# KiCad board LightRail_LPO_1.6T.kicad_pcb (continued)
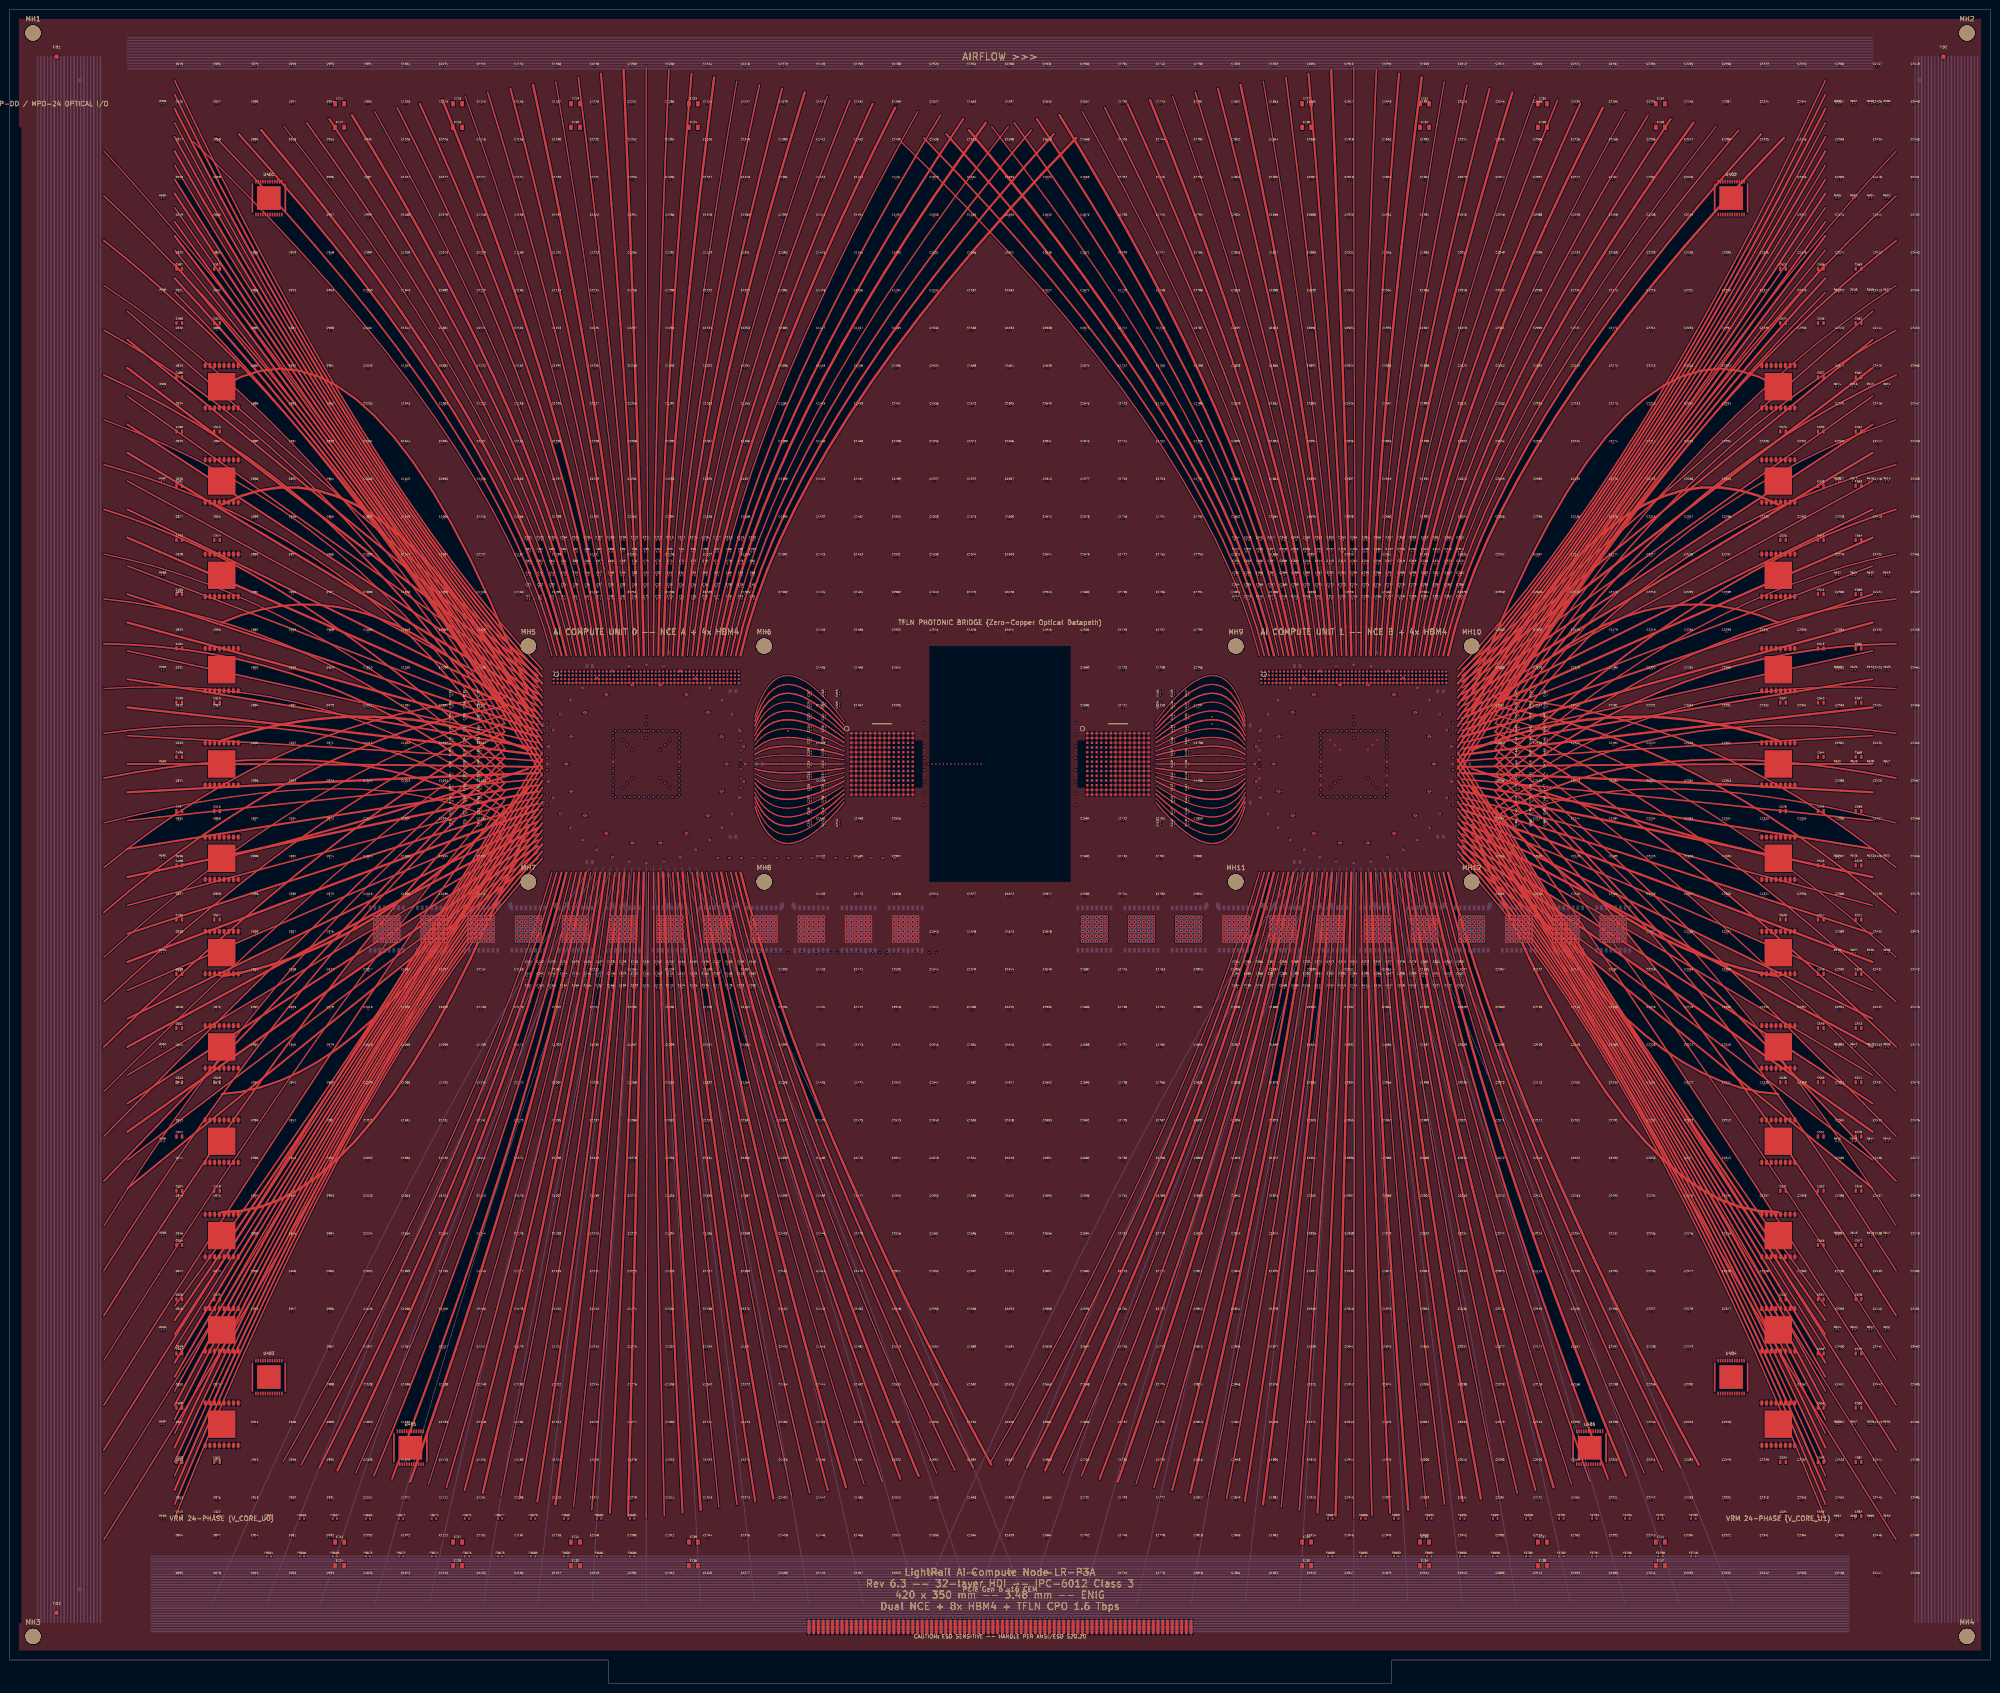
[diagram p0: board, top side]
## Routing (per net, layer and track width the routed paths; a pad name or vN(x,y) marks a point on that pad's centre or on a via; arc(x,y) is an arc through that point) (continued)
  Top w0.33: 213,331 218.85,322.82 224.39,314.8 229.63,306.92 234.57,299.19 239.2,291.61 243.53,284.17 247.56,276.89 251.28,269.75 254.7,262.76 257.82,255.92 260.63,249.23 263.13,242.69 265.34,236.29 267.24,230.05 268.83,223.95 270.13,218 ; 82.2,334.2 86.49,325.64 90.56,317.25 94.4,309.03 98.03,300.99 101.43,293.12 104.61,285.42 107.57,277.9 110.31,270.55 112.82,263.37 115.12,256.37 117.19,249.54 119.04,242.89 120.67,236.41 122.08,230.1 123.27,223.96 124.23,218 ; 298.85,172 300.03,165.4 301.36,158.61 302.83,151.61 304.45,144.43 306.21,137.04 308.11,129.46 310.16,121.68 312.35,113.7 314.68,105.53 317.16,97.16 319.78,88.59 322.55,79.82 325.46,70.86 328.51,61.71 331.71,52.35 335.05,42.8 ; 120.13,172 118.63,165.41 116.97,158.62 115.15,151.66 113.18,144.5 111.05,137.16 108.77,129.62 106.32,121.91 103.72,114 100.96,105.91 98.05,97.62 94.97,89.16 91.74,80.5 88.36,71.66 84.81,62.62 81.11,53.41 77.25,44 ; 154.25,38 152.97,48.13 151.74,58.03 150.57,67.69 149.46,77.12 148.41,86.32 147.41,95.28 146.48,104.01 145.6,112.5 144.78,120.76 144.01,128.78 143.31,136.57 142.66,144.12 142.07,151.44 141.53,158.53 141.06,165.38 140.64,172 ; 294.74,218 295.42,223.97 296.29,230.12 297.34,236.46 298.58,242.99 300.01,249.7 301.63,256.6 303.44,263.68 305.44,270.95 307.62,278.4 310,286.05 312.56,293.87 315.31,301.89 318.25,310.09 321.38,318.47 324.69,327.04 328.2,335.8 ; 273.45,36.8 274.22,47.08 274.97,57.11 275.69,66.9 276.37,76.45 277.04,85.75 277.67,94.81 278.27,103.63 278.85,112.2 279.39,120.53 279.91,128.61 280.4,136.45 280.87,144.05 281.3,151.4 281.71,158.51 282.09,165.38 282.44,172 ; 63,331 68.85,322.82 74.39,314.8 79.63,306.92 84.57,299.19 89.2,291.61 93.53,284.17 97.56,276.89 101.28,269.75 104.7,262.76 107.82,255.92 110.63,249.23 113.14,242.69 115.34,236.29 117.24,230.05 118.83,223.95 120.13,218 ; 302.95,172 304.52,165.41 306.27,158.64 308.21,151.7 310.34,144.57 312.66,137.27 315.16,129.79 317.85,122.14 320.73,114.3 323.79,106.29 327.04,98.09 330.47,89.72 334.09,81.18 337.9,72.45 341.9,63.54 346.08,54.46 350.45,45.2 ; 278.33,218 277.7,223.97 276.92,230.15 276,236.52 274.95,243.09 273.75,249.86 272.42,256.82 270.95,263.99 269.33,271.35 267.58,278.91 265.69,286.67 263.65,294.63 261.48,302.79 259.17,311.14 256.72,319.7 254.13,328.45 251.4,337.4 ; 159,339 157.05,329.86 155.21,320.92 153.48,312.2 151.85,303.69 150.33,295.39 148.92,287.3 147.61,279.42 146.41,271.75 145.32,264.29 144.33,257.05 143.45,250.01 142.67,243.19 142,236.57 141.44,230.17 140.99,223.98 140.64,218 ; 227.25,44 231.11,53.41 234.81,62.62 238.35,71.66 241.74,80.5 244.97,89.16 248.04,97.62 250.96,105.91 253.72,114 256.32,121.91 258.76,129.62 261.05,137.16 263.18,144.5 265.15,151.66 266.97,158.62 268.63,165.41 270.13,172 ; 286.54,218 286.56,223.99 286.6,230.22 286.67,236.69 286.76,243.39 286.88,250.32 287.03,257.5 287.19,264.9 287.38,272.55 287.6,280.43 287.84,288.55 288.11,296.9 288.4,305.49 288.71,314.31 289.05,323.37 289.41,332.67 289.8,342.2 ; 270.6,340.6 271.77,331.26 272.88,322.15 273.94,313.25 274.94,304.59 275.88,296.14 276.76,287.92 277.59,279.92 278.36,272.15 279.07,264.6 279.72,257.27 280.32,250.17 280.86,243.29 281.34,236.63 281.76,230.2 282.13,223.99 282.44,218 ; 366.6,329.4 359.98,321.42 353.7,313.57 347.79,305.86 342.22,298.29 337.01,290.85 332.15,283.55 327.64,276.38 323.49,269.35 319.69,262.45 316.24,255.7 313.14,249.07 310.4,242.59 308,236.24 305.97,230.02 304.28,223.94 302.95,218 ; 319.65,40.4 317.34,50.24 315.13,59.87 313.02,69.28 311.01,78.48 309.1,87.45 307.29,96.22 305.58,104.77 303.97,113.1 302.47,121.22 301.06,129.12 299.76,136.81 298.55,144.28 297.45,151.53 296.45,158.57 295.55,165.39 294.74,172 ; 266.03,218 264.4,223.94 262.4,230 260,236.18 257.23,242.49 254.06,248.92 250.51,255.47 246.58,262.15 242.26,268.95 237.55,275.87 232.46,282.92 226.98,290.09 221.11,297.39 214.86,304.81 208.23,312.35 201.21,320.01 193.8,327.8 ; 290.64,218 290.99,223.98 291.44,230.17 292,236.57 292.67,243.19 293.45,250.01 294.33,257.05 295.32,264.29 296.41,271.75 297.61,279.42 298.92,287.3 300.33,295.39 301.85,303.69 303.48,312.2 305.21,320.92 307.05,329.86 309,339 ; 274.23,218 273.27,223.96 272.08,230.1 270.67,236.41 269.04,242.89 267.19,249.54 265.12,256.37 262.82,263.37 260.31,270.55 257.57,277.9 254.61,285.42 251.43,293.12 248.03,300.99 244.4,309.03 240.56,317.25 236.49,325.64 232.2,334.2 ; 108.05,39.2 109.85,49.19 111.58,58.95 113.24,68.49 114.83,77.8 116.35,86.89 117.79,95.75 119.17,104.39 120.47,112.8 121.7,120.99 122.86,128.95 123.95,136.69 124.97,144.2 125.92,151.49 126.8,158.55 127.6,165.39 128.33,172 ; 242.65,41.6 245.48,51.3 248.2,60.79 250.8,70.07 253.29,79.15 255.66,88.02 257.92,96.69 260.06,105.15 262.1,113.4 264.01,121.45 265.81,129.29 267.5,136.92 269.08,144.35 270.54,151.57 271.88,158.59 273.11,165.4 274.23,172 ; 136.54,172 136.57,165.37 136.62,158.49 136.68,151.36 136.76,143.97 136.85,136.34 136.96,128.44 137.09,120.3 137.22,111.9 137.37,103.25 137.54,94.34 137.72,85.19 137.92,75.77 138.13,66.11 138.35,56.19 138.59,46.02 138.85,35.6 ; 132.44,172 132.09,165.38 131.71,158.51 131.3,151.4 130.87,144.05 130.4,136.45 129.91,128.61 129.39,120.53 128.85,112.2 128.27,103.63 127.67,94.81 127.03,85.75 126.37,76.45 125.69,66.9 124.97,57.11 124.22,47.08 123.45,36.8 ; 128.33,218 127.7,223.97 126.92,230.15 126,236.52 124.95,243.09 123.75,249.86 122.42,256.82 120.95,263.99 119.33,271.35 117.58,278.91 115.69,286.67 113.66,294.63 111.48,302.79 109.17,311.14 106.72,319.7 104.13,328.45 101.4,337.4 ; 43.8,327.8 51.21,320.01 58.23,312.35 64.86,304.81 71.11,297.39 76.98,290.09 82.46,282.92 87.55,275.87 92.26,268.95 96.58,262.15 100.51,255.47 104.06,248.92 107.23,242.49 110,236.18 112.4,230 114.41,223.94 116.03,218 ; 347.4,332.6 342.33,324.23 337.54,316.02 333.02,307.97 328.76,300.09 324.78,292.36 321.07,284.8 317.63,277.39 314.46,270.15 311.56,263.07 308.93,256.15 306.58,249.39 304.49,242.79 302.67,236.35 301.13,230.07 299.85,223.96 298.85,218 ; 144.74,218 145.42,223.97 146.28,230.12 147.34,236.46 148.58,242.99 150.01,249.7 151.63,256.6 153.44,263.68 155.44,270.95 157.62,278.4 160,286.05 162.56,293.87 165.31,301.89 168.25,310.09 171.38,318.47 174.69,327.04 178.2,335.8 ; 92.65,41.6 95.48,51.3 98.2,60.79 100.8,70.07 103.29,79.15 105.66,88.02 107.92,96.69 110.06,105.15 112.09,113.4 114.01,121.45 115.81,129.29 117.5,136.92 119.08,144.35 120.54,151.57 121.88,158.59 123.11,165.4 124.23,172 ; 258.05,39.2 259.85,49.19 261.58,58.95 263.24,68.49 264.83,77.8 266.35,86.89 267.79,95.75 269.17,104.39 270.47,112.8 271.7,120.99 272.86,128.95 273.95,136.69 274.97,144.2 275.92,151.49 276.8,158.55 277.6,165.39 278.33,172 ; 286.54,172 286.57,165.37 286.62,158.49 286.68,151.36 286.76,143.97 286.86,136.34 286.96,128.44 287.08,120.3 287.22,111.9 287.37,103.25 287.54,94.34 287.72,85.19 287.92,75.77 288.13,66.11 288.36,56.19 288.6,46.02 288.85,35.6 ; 216.6,329.4 209.98,321.42 203.71,313.57 197.79,305.86 192.22,298.29 187.01,290.85 182.15,283.55 177.64,276.38 173.49,269.35 169.69,262.45 166.24,255.7 163.14,249.07 160.4,242.59 158,236.24 155.97,230.02 154.28,223.94 152.95,218 ; 290.64,172 291.06,165.38 291.53,158.53 292.07,151.44 292.66,144.12 293.31,136.57 294.01,128.78 294.78,120.76 295.6,112.5 296.48,104.01 297.41,95.28 298.41,86.32 299.46,77.12 300.57,67.69 301.74,58.03 302.97,48.13 304.25,38 ; 197.4,332.6 192.34,324.23 187.54,316.02 183.02,307.97 178.76,300.09 174.78,292.36 171.07,284.8 167.63,277.39 164.46,270.15 161.56,263.07 158.93,256.15 156.58,249.39 154.49,242.79 152.67,236.35 151.13,230.07 149.85,223.96 148.85,218 ; 266.03,172 264.14,165.42 262.06,158.66 259.77,151.74 257.29,144.65 254.6,137.39 251.72,129.96 248.63,122.37 245.34,114.6 241.86,106.67 238.17,98.56 234.28,90.29 230.2,81.85 225.91,73.24 221.43,64.46 216.74,55.52 211.85,46.4 ; 169.65,40.4 167.34,50.24 165.13,59.87 163.02,69.28 161.01,78.48 159.1,87.45 157.29,96.22 155.58,104.77 153.97,113.1 152.47,121.22 151.06,129.12 149.76,136.81 148.55,144.28 147.45,151.53 146.45,158.57 145.54,165.39 144.74,172 ; 136.54,218 136.56,223.99 136.6,230.22 136.67,236.69 136.76,243.39 136.88,250.32 137.03,257.5 137.19,264.9 137.38,272.55 137.6,280.43 137.84,288.55 138.11,296.9 138.4,305.49 138.71,314.31 139.05,323.37 139.41,332.67 139.8,342.2 ; 152.95,172 154.52,165.41 156.27,158.64 158.21,151.7 160.34,144.57 162.66,137.27 165.16,129.79 167.85,122.14 170.72,114.3 173.79,106.29 177.04,98.09 180.47,89.72 184.09,81.18 187.9,72.45 191.9,63.54 196.08,54.46 200.45,45.2 ; 185.05,42.8 181.71,52.35 178.51,61.71 175.46,70.86 172.55,79.82 169.78,88.59 167.16,97.16 164.68,105.53 162.35,113.7 160.16,121.68 158.11,129.46 156.21,137.04 154.45,144.43 152.83,151.61 151.36,158.61 150.03,165.4 148.85,172 ; 120.6,340.6 121.77,331.26 122.89,322.15 123.94,313.25 124.94,304.59 125.88,296.14 126.76,287.92 127.59,279.92 128.36,272.15 129.07,264.6 129.72,257.27 130.32,250.17 130.86,243.29 131.34,236.63 131.76,230.2 132.13,223.99 132.44,218
  Top w0.35: 20,249 25.02,247.36 30.08,245.48 35.18,243.37 40.31,241.03 45.49,238.44 50.7,235.63 55.96,232.58 61.25,229.3 66.58,225.78 71.95,222.03 77.36,218.04 82.81,213.82 88.3,209.37 93.83,204.68 99.39,199.76 105,194.6 ; 105,189.2 100.27,192.91 95.47,196.39 90.59,199.64 85.62,202.65 80.59,205.43 75.47,207.97 70.27,210.28 65,212.35 59.65,214.19 54.22,215.79 48.71,217.16 43.12,218.3 37.46,219.2 31.72,219.87 25.9,220.3 20,220.5 ; 20,306 25.61,301.47 31.17,296.71 36.7,291.71 42.19,286.48 47.64,281.01 53.05,275.31 58.42,269.37 63.75,263.2 69.04,256.8 74.3,250.16 79.51,243.28 84.69,236.18 89.82,228.83 94.92,221.26 99.98,213.44 105,205.4 ; 400,277.5 393.52,274.41 387.19,271.09 381.02,267.54 375,263.75 369.14,259.73 363.44,255.47 357.89,250.98 352.5,246.25 347.27,241.29 342.19,236.09 337.27,230.66 332.5,225 327.89,219.1 323.44,212.97 319.14,206.6 315,200 ; 105,200 100.86,206.6 96.56,212.97 92.11,219.1 87.5,225 82.73,230.66 77.81,236.09 72.73,241.29 67.5,246.25 62.11,250.98 56.56,255.47 50.86,259.73 45,263.75 38.98,267.54 32.81,271.09 26.48,274.41 20,277.5 ; 400,78 394.39,86.82 388.83,95.41 383.3,103.76 377.81,111.88 372.36,119.76 366.95,127.41 361.58,134.82 356.25,142 350.96,148.94 345.7,155.66 340.49,162.13 335.31,168.38 330.18,174.38 325.08,180.16 320.02,185.69 315,191 ; 20,192 26.78,193.25 33.36,194.26 39.75,195.03 45.94,195.57 51.93,195.88 57.73,195.96 63.34,195.79 68.75,195.4 73.97,194.77 78.98,193.91 83.81,192.81 88.44,191.47 92.87,189.91 97.11,188.11 101.15,186.07 105,183.8 ; 400,192 393.22,193.25 386.64,194.26 380.25,195.03 374.06,195.57 368.07,195.88 362.27,195.96 356.66,195.79 351.25,195.4 346.04,194.77 341.02,193.91 336.19,192.81 331.56,191.47 327.13,189.91 322.89,188.11 318.85,186.07 315,183.8 ; 105,201.8 100.57,199.38 96.02,196.73 91.35,193.84 86.56,190.72 81.66,187.37 76.64,183.78 71.5,179.96 66.25,175.9 60.88,171.61 55.39,167.08 49.78,162.32 44.06,157.32 38.22,152.09 32.27,146.63 26.19,140.93 20,135 ; 400,49.5 393.52,59.76 387.19,69.79 381.02,79.59 375,89.15 369.14,98.48 363.44,107.57 357.89,116.43 352.5,125.05 347.27,133.44 342.19,141.59 337.27,149.51 332.5,157.2 327.89,164.65 323.44,171.87 319.14,178.85 315,185.6 ; 105,191 99.98,185.69 94.92,180.16 89.82,174.38 84.69,168.38 79.51,162.13 74.3,155.66 69.04,148.94 63.75,142 58.42,134.82 53.05,127.41 47.64,119.76 42.19,111.88 36.7,103.76 31.17,95.41 25.61,86.82 20,78 ; 105,207.2 99.69,206.23 94.38,205.02 89.06,203.58 83.75,201.9 78.44,199.99 73.12,197.84 67.81,195.46 62.5,192.85 57.19,190 51.88,186.92 46.56,183.6 41.25,180.05 35.94,176.26 30.62,172.24 25.31,167.99 20,163.5 ; 105,185.6 100.86,178.85 96.56,171.87 92.11,164.65 87.5,157.2 82.73,149.51 77.81,141.59 72.73,133.44 67.5,125.05 62.11,116.43 56.56,107.57 50.86,98.48 45,89.15 38.98,79.59 32.81,69.79 26.48,59.76 20,49.5 ; 315,201.8 319.43,199.38 323.98,196.73 328.65,193.84 333.44,190.72 338.34,187.37 343.36,183.78 348.5,179.96 353.75,175.9 359.12,171.61 364.61,167.08 370.21,162.32 375.94,157.32 381.78,152.09 387.73,146.63 393.81,140.93 400,135 ; 400,249 394.98,247.36 389.92,245.48 384.82,243.37 379.69,241.03 374.51,238.44 369.3,235.63 364.04,232.58 358.75,229.3 353.42,225.78 348.05,222.03 342.64,218.04 337.19,213.82 331.7,209.37 326.17,204.68 320.61,199.76 315,194.6 ; 400,106.5 392.93,113.88 386.09,121.02 379.49,127.93 373.12,134.6 366.99,141.04 361.09,147.24 355.43,153.21 350,158.95 344.81,164.45 339.84,169.72 335.12,174.75 330.62,179.55 326.37,184.11 322.34,188.44 318.56,192.54 315,196.4 ; 400,163.5 394.69,167.99 389.38,172.24 384.06,176.26 378.75,180.05 373.44,183.6 368.12,186.92 362.81,190 357.5,192.85 352.19,195.46 346.88,197.84 341.56,199.99 336.25,201.9 330.94,203.58 325.62,205.02 320.31,206.23 315,207.2 ; 105,196.4 101.44,192.54 97.66,188.44 93.63,184.11 89.38,179.55 84.88,174.75 80.16,169.72 75.19,164.45 70,158.95 64.57,153.21 58.91,147.24 53.01,141.04 46.88,134.6 40.51,127.93 33.91,121.02 27.07,113.88 20,106.5 ; 315,205.4 320.02,213.44 325.08,221.26 330.18,228.83 335.31,236.18 340.49,243.28 345.7,250.16 350.96,256.8 356.25,263.2 361.58,269.37 366.95,275.31 372.36,281.01 377.81,286.48 383.3,291.71 388.83,296.71 394.39,301.47 400,306 ; 315,189.2 319.73,192.91 324.53,196.39 329.41,199.64 334.38,202.65 339.41,205.43 344.53,207.97 349.73,210.28 355,212.35 360.35,214.19 365.78,215.79 371.29,217.16 376.88,218.3 382.54,219.2 388.28,219.87 394.1,220.3 400,220.5
  Top w0.36: 35,328 39.99,318.98 44.97,310.17 49.93,301.57 54.88,293.19 59.8,285.01 64.72,277.05 69.62,269.29 74.5,261.75 79.37,254.42 84.22,247.3 89.06,240.39 93.88,233.69 98.68,227.2 103.47,220.92 108.24,214.85 113,209 ; 113,185.5 108.24,179.08 103.47,172.43 98.68,165.56 93.88,158.47 89.06,151.15 84.22,143.62 79.37,135.86 74.5,127.88 69.62,119.67 64.72,111.24 59.8,102.59 54.88,93.72 49.93,84.62 44.97,75.31 39.99,65.76 35,56 ; 113,190 108.24,183.07 103.47,176.02 98.68,168.85 93.88,161.56 89.06,154.16 84.22,146.64 79.37,139 74.5,131.25 69.62,123.38 64.72,115.39 59.8,107.28 54.88,99.06 49.93,90.72 44.97,82.27 39.99,73.69 35,65 ; 307,195.5 311.76,202.88 316.53,210.16 321.32,217.34 326.12,224.41 330.94,231.37 335.78,238.23 340.63,244.98 345.5,251.62 350.38,258.17 355.28,264.6 360.19,270.93 365.12,277.16 370.07,283.27 375.03,289.29 380.01,295.2 385,301 ; 113,204.5 108.24,210.87 103.47,217.34 98.68,223.91 93.88,230.59 89.06,237.38 84.22,244.27 79.37,251.27 74.5,258.38 69.62,265.58 64.72,272.9 59.8,280.32 54.88,287.84 49.93,295.48 44.97,303.21 39.99,311.05 35,319 ; 307,200 311.76,206.88 316.53,213.75 321.32,220.62 326.12,227.5 330.94,234.38 335.78,241.25 340.63,248.12 345.5,255 350.38,261.88 355.28,268.75 360.19,275.62 365.12,282.5 370.07,289.38 375.03,296.25 380.01,303.12 385,310 ; 385,38 380.01,49.91 375.03,61.38 370.07,72.42 365.12,83.03 360.19,93.2 355.28,102.94 350.38,112.25 345.5,121.12 340.63,129.56 335.78,137.57 330.94,145.14 326.12,152.28 321.32,158.99 316.53,165.26 311.76,171.1 307,176.5 ; 385,65 380.01,73.69 375.03,82.27 370.07,90.72 365.12,99.06 360.19,107.28 355.28,115.39 350.38,123.38 345.5,131.25 340.63,139 335.78,146.64 330.94,154.16 326.12,161.56 321.32,168.85 316.53,176.02 311.76,183.07 307,190 ; 307,194.5 311.76,187.06 316.53,179.6 321.32,172.13 326.12,164.66 330.94,157.17 335.78,149.66 340.63,142.15 345.5,134.62 350.38,127.09 355.28,119.54 360.19,111.98 365.12,104.41 370.07,96.82 375.03,89.23 380.01,81.62 385,74 ; 307,204.5 311.76,210.87 316.53,217.34 321.32,223.91 326.12,230.59 330.94,237.38 335.78,244.27 340.63,251.27 345.5,258.38 350.38,265.58 355.28,272.9 360.19,280.32 365.12,287.84 370.07,295.48 375.03,303.21 380.01,311.05 385,319 ; 385,337 380.01,326.91 375.03,317.13 370.07,307.67 365.12,298.53 360.19,289.7 355.28,281.19 350.38,273 345.5,265.12 340.63,257.56 335.78,250.32 330.94,243.39 326.12,236.78 321.32,230.49 316.53,224.51 311.76,218.85 307,213.5 ; 35,74 39.99,81.62 44.97,89.23 49.93,96.82 54.88,104.41 59.8,111.98 64.72,119.54 69.62,127.09 74.5,134.62 79.37,142.15 84.22,149.66 89.06,157.17 93.88,164.66 98.68,172.13 103.47,179.6 108.24,187.06 113,194.5 ; 113,200 108.24,206.88 103.47,213.75 98.68,220.62 93.88,227.5 89.06,234.38 84.22,241.25 79.37,248.12 74.5,255 69.62,261.88 64.72,268.75 59.8,275.62 54.88,282.5 49.93,289.38 44.97,296.25 39.99,303.12 35,310 ; 35,47 39.99,57.84 44.97,68.34 49.93,78.52 54.88,88.38 59.8,97.9 64.72,107.09 69.62,115.96 74.5,124.5 79.37,132.71 84.22,140.59 89.06,148.15 93.88,155.38 98.68,162.27 103.47,168.84 108.24,175.09 113,181 ; 113,176.5 108.24,171.1 103.47,165.26 98.68,158.99 93.88,152.28 89.06,145.14 84.22,137.57 79.37,129.56 74.5,121.12 69.62,112.25 64.72,102.94 59.8,93.2 54.88,83.03 49.93,72.42 44.97,61.38 39.99,49.91 35,38 ; 307,209 311.76,214.85 316.53,220.92 321.32,227.2 326.12,233.69 330.94,240.39 335.78,247.3 340.63,254.42 345.5,261.75 350.38,269.29 355.28,277.05 360.19,285.01 365.12,293.19 370.07,301.57 375.03,310.17 380.01,318.98 385,328 ; 35,337 39.99,326.91 44.97,317.13 49.93,307.67 54.88,298.53 59.8,289.7 64.72,281.19 69.62,273 74.5,265.12 79.37,257.56 84.22,250.32 89.06,243.39 93.88,236.78 98.68,230.49 103.47,224.51 108.24,218.85 113,213.5 ; 307,185.5 311.76,179.08 316.53,172.43 321.32,165.56 326.12,158.47 330.94,151.15 335.78,143.62 340.63,135.86 345.5,127.88 350.38,119.67 355.28,111.24 360.19,102.59 365.12,93.72 370.07,84.62 375.03,75.31 380.01,65.76 385,56 ; 113,195.5 108.24,202.88 103.47,210.16 98.68,217.34 93.88,224.41 89.06,231.37 84.22,238.23 79.37,244.98 74.5,251.62 69.62,258.17 64.72,264.6 59.8,270.93 54.88,277.16 49.93,283.27 44.97,289.29 39.99,295.2 35,301 ; 307,181 311.76,175.09 316.53,168.84 321.32,162.27 326.12,155.38 330.94,148.15 335.78,140.59 340.63,132.71 345.5,124.5 350.38,115.96 355.28,107.09 360.19,97.9 365.12,88.38 370.07,78.52 375.03,68.34 380.01,57.84 385,47
  Top w0.38: 395,267 388.21,262.56 381.61,258.23 375.18,254.02 368.94,249.93 362.87,245.95 356.98,242.09 351.28,238.34 345.75,234.71 340.4,231.19 335.23,227.8 330.25,224.51 325.44,221.35 320.81,218.3 316.36,215.36 312.09,212.54 308,209.84 ; 395,141 388.21,144.33 381.61,147.56 375.18,150.69 368.94,153.73 362.87,156.68 356.98,159.53 351.28,162.28 345.75,164.94 340.4,167.5 335.23,169.96 330.25,172.33 325.44,174.6 320.81,176.78 316.36,178.87 312.09,180.85 308,182.74 ; 112,194.35 107.91,194.43 103.64,194.51 99.19,194.57 94.56,194.64 89.75,194.69 84.77,194.75 79.6,194.8 74.25,194.84 68.72,194.88 63.02,194.91 57.13,194.94 51.06,194.96 44.82,194.98 38.39,194.99 31.79,195 25,195 ; 395,105 388.21,110.55 381.61,115.94 375.18,121.17 368.94,126.25 362.87,131.17 356.98,135.94 351.28,140.55 345.75,145 340.4,149.3 335.23,153.44 330.25,157.42 325.44,161.25 320.81,164.92 316.36,168.44 312.09,171.8 308,175 ; 25,249 31.79,245.67 38.39,242.42 44.82,239.26 51.06,236.19 57.13,233.2 63.02,230.29 68.72,227.47 74.25,224.74 79.6,222.09 84.77,219.53 89.75,217.06 94.56,214.67 99.19,212.37 103.64,210.15 107.91,208.01 112,205.97 ; 395,177 388.21,178.11 381.61,179.18 375.18,180.22 368.94,181.22 362.87,182.18 356.98,183.12 351.28,184.01 345.75,184.87 340.4,185.7 335.23,186.49 330.25,187.24 325.44,187.96 320.81,188.64 316.36,189.29 312.09,189.91 308,190.48 ; 112,202.1 107.91,203.49 103.64,204.93 99.19,206.44 94.56,207.99 89.75,209.6 84.77,211.27 79.6,213 74.25,214.77 68.72,216.61 63.02,218.5 57.13,220.44 51.06,222.44 44.82,224.5 38.39,226.61 31.79,228.78 25,231 ; 25,267 31.79,262.56 38.39,258.23 44.82,254.02 51.06,249.93 57.13,245.95 63.02,242.09 68.72,238.34 74.25,234.71 79.6,231.19 84.77,227.8 89.75,224.51 94.56,221.35 99.19,218.3 103.64,215.36 107.91,212.54 112,209.84 ; 25,159 31.79,161.22 38.39,163.37 44.82,165.46 51.06,167.48 57.13,169.43 63.02,171.32 68.72,173.15 74.25,174.9 79.6,176.6 84.77,178.22 89.75,179.79 94.56,181.28 99.19,182.71 103.64,184.08 107.91,185.38 112,186.61 ; 112,178.87 107.91,176.32 103.64,173.65 99.19,170.85 94.56,167.93 89.75,164.88 84.77,161.7 79.6,158.4 74.25,154.97 68.72,151.41 63.02,147.73 57.13,143.93 51.06,139.99 44.82,135.93 38.39,131.75 31.79,127.44 25,123 ; 308,186.61 312.09,185.38 316.36,184.08 320.81,182.71 325.44,181.28 330.25,179.79 335.23,178.22 340.4,176.6 345.75,174.9 351.28,173.15 356.98,171.32 362.87,169.43 368.94,167.48 375.18,165.46 381.61,163.37 388.21,161.22 395,159 ; 25,105 31.79,110.55 38.39,115.94 44.82,121.17 51.06,126.25 57.13,131.17 63.02,135.94 68.72,140.55 74.25,145 79.6,149.3 84.77,153.44 89.75,157.42 94.56,161.25 99.19,164.92 103.64,168.44 107.91,171.8 112,175 ; 308,178.87 312.09,176.32 316.36,173.65 320.81,170.85 325.44,167.93 330.25,164.88 335.23,161.7 340.4,158.4 345.75,154.97 351.28,151.41 356.98,147.73 362.87,143.93 368.94,139.99 375.18,135.93 381.61,131.75 388.21,127.44 395,123 ; 308,194.35 312.09,194.43 316.36,194.51 320.81,194.57 325.44,194.64 330.25,194.69 335.23,194.75 340.4,194.8 345.75,194.84 351.28,194.88 356.98,194.91 362.87,194.94 368.94,194.96 375.18,194.98 381.61,194.99 388.21,195 395,195 ; 308,198.23 312.09,198.96 316.36,199.72 320.81,200.5 325.44,201.31 330.25,202.15 335.23,203.01 340.4,203.9 345.75,204.81 351.28,205.74 356.98,206.7 362.87,207.69 368.94,208.7 375.18,209.74 381.61,210.8 388.21,211.89 395,213 ; 25,285 31.79,279.45 38.39,274.04 44.82,268.78 51.06,263.67 57.13,258.7 63.02,253.88 68.72,249.21 74.25,244.68 79.6,240.3 84.77,236.06 89.75,231.97 94.56,228.02 99.19,224.23 103.64,220.57 107.91,217.07 112,213.71 ; 112,190.48 107.91,189.91 103.64,189.29 99.19,188.64 94.56,187.96 89.75,187.24 84.77,186.49 79.6,185.7 74.25,184.87 68.72,184.01 63.02,183.12 57.13,182.18 51.06,181.22 44.82,180.22 38.39,179.18 31.79,178.11 25,177 ; 25,141 31.79,144.33 38.39,147.56 44.82,150.69 51.06,153.73 57.13,156.68 63.02,159.53 68.72,162.28 74.25,164.94 79.6,167.5 84.77,169.96 89.75,172.33 94.56,174.6 99.19,176.78 103.64,178.87 107.91,180.85 112,182.74 ; 308,213.71 312.09,217.07 316.36,220.57 320.81,224.23 325.44,228.02 330.25,231.97 335.23,236.06 340.4,240.3 345.75,244.68 351.28,249.21 356.98,253.88 362.87,258.7 368.94,263.67 375.18,268.78 381.61,274.04 388.21,279.45 395,285 ; 395,249 388.21,245.67 381.61,242.42 375.18,239.26 368.94,236.19 362.87,233.2 356.98,230.29 351.28,227.47 345.75,224.74 340.4,222.09 335.23,219.53 330.25,217.06 325.44,214.67 320.81,212.37 316.36,210.15 312.09,208.01 308,205.97 ; 25,213 31.79,211.89 38.39,210.8 44.82,209.74 51.06,208.7 57.13,207.69 63.02,206.7 68.72,205.74 74.25,204.81 79.6,203.9 84.77,203.01 89.75,202.15 94.56,201.31 99.19,200.5 103.64,199.72 107.91,198.96 112,198.23 ; 308,202.1 312.09,203.49 316.36,204.93 320.81,206.44 325.44,207.99 330.25,209.6 335.23,211.27 340.4,213 345.75,214.77 351.28,216.61 356.98,218.5 362.87,220.44 368.94,222.44 375.18,224.5 381.61,226.61 388.21,228.78 395,231
  Top w0.4: 110,202 105.94,206.43 101.88,210.45 97.81,214.08 93.75,217.31 89.69,220.15 85.62,222.58 81.56,224.61 77.5,226.25 73.44,227.49 69.38,228.33 65.31,228.77 61.25,228.81 57.19,228.46 53.12,227.7 49.06,226.55 45,225 ; 375,125 370.94,125.47 366.88,126.39 362.81,127.75 358.75,129.56 354.69,131.82 350.62,134.52 346.56,137.66 342.5,141.25 338.44,145.28 334.38,149.77 330.31,154.69 326.25,160.06 322.19,165.88 318.12,172.14 314.06,178.85 310,186 ; 310,202 314.06,206.43 318.12,210.45 322.19,214.08 326.25,217.31 330.31,220.15 334.38,222.58 338.44,224.61 342.5,226.25 346.56,227.49 350.62,228.33 354.69,228.77 358.75,228.81 362.81,228.46 366.88,227.7 370.94,226.55 375,225 ; 375,175 370.94,176.01 366.88,177.05 362.81,178.1 358.75,179.19 354.69,180.29 350.62,181.42 346.56,182.57 342.5,183.75 338.44,184.95 334.38,186.17 330.31,187.42 326.25,188.69 322.19,189.98 318.12,191.3 314.06,192.64 310,194 ; 110,186 105.94,178.85 101.88,172.14 97.81,165.88 93.75,160.06 89.69,154.69 85.62,149.77 81.56,145.28 77.5,141.25 73.44,137.66 69.38,134.52 65.31,131.82 61.25,129.56 57.19,127.75 53.12,126.39 49.06,125.47 45,125 ; 45,175 49.06,176.01 53.12,177.05 57.19,178.1 61.25,179.19 65.31,180.29 69.38,181.42 73.44,182.57 77.5,183.75 81.56,184.95 85.62,186.17 89.69,187.42 93.75,188.69 97.81,189.98 101.88,191.3 105.94,192.64 110,194 ; 375,275 370.94,277.09 366.88,278.36 362.81,278.81 358.75,278.44 354.69,277.25 350.62,275.23 346.56,272.4 342.5,268.75 338.44,264.28 334.38,258.98 330.31,252.87 326.25,245.94 322.19,238.18 318.12,229.61 314.06,220.22 310,210 ; 110,210 105.94,220.22 101.88,229.61 97.81,238.18 93.75,245.94 89.69,252.87 85.62,258.98 81.56,264.28 77.5,268.75 73.44,272.4 69.38,275.23 65.31,277.25 61.25,278.44 57.19,278.81 53.12,278.36 49.06,277.09 45,275
  Top w0.41: 352.2,331.8 346.75,323.53 341.58,315.41 336.71,307.45 332.13,299.64 327.84,291.98 323.84,284.48 320.13,277.14 316.72,269.95 313.59,262.92 310.76,256.03 308.22,249.31 305.96,242.74 304,236.32 302.34,230.06 300.96,223.95 299.87,218 ; 267.05,218 265.51,223.94 263.61,230.01 261.34,236.21 258.7,242.54 255.7,249 252.34,255.58 248.61,262.3 244.51,269.15 240.05,276.13 235.23,283.23 230.03,290.47 224.48,297.84 218.56,305.33 212.27,312.96 205.62,320.72 198.6,328.6 ; 271.15,218 269.94,223.95 268.45,230.06 266.67,236.32 264.61,242.74 262.27,249.31 259.64,256.03 256.73,262.92 253.54,269.95 250.06,277.14 246.3,284.48 242.26,291.98 237.94,299.64 233.33,307.45 228.43,315.41 223.26,323.53 217.8,331.8 ; 287.56,218 287.67,223.99 287.81,230.21 288,236.66 288.24,243.34 288.52,250.25 288.85,257.38 289.22,264.75 289.64,272.35 290.1,280.18 290.61,288.23 291.16,296.52 291.76,305.04 292.4,313.78 293.09,322.76 293.82,331.96 294.6,341.4 ; 145.77,218 146.53,223.97 147.5,230.11 148.67,236.43 150.06,242.94 151.65,249.62 153.46,256.48 155.47,263.53 157.69,270.75 160.12,278.15 162.76,285.73 165.61,293.5 168.67,301.44 171.94,309.56 175.42,317.86 179.1,326.34 183,335 ; 275.26,218 274.37,223.97 273.29,230.11 272,236.43 270.52,242.94 268.83,249.62 266.94,256.48 264.86,263.53 262.56,270.75 260.07,278.15 257.38,285.73 254.49,293.5 251.39,301.44 248.09,309.56 244.6,317.86 240.9,326.34 237,335 ; 173.5,41 170.93,50.77 168.47,60.33 166.13,69.68 163.89,78.81 161.77,87.74 159.76,96.45 157.86,104.96 156.07,113.25 154.39,121.33 152.82,129.2 151.37,136.86 150.03,144.31 148.79,151.55 147.68,158.58 146.67,165.4 145.77,172 ; 87,335 90.9,326.34 94.6,317.86 98.09,309.56 101.39,301.44 104.49,293.5 107.38,285.73 110.07,278.15 112.56,270.75 114.86,263.53 116.94,256.48 118.83,249.62 120.52,242.94 122,236.43 123.29,230.11 124.37,223.97 125.26,218 ; 323.5,41 320.93,50.77 318.47,60.33 316.13,69.68 313.89,78.81 311.77,87.74 309.76,96.45 307.86,104.96 306.07,113.25 304.39,121.33 302.82,129.2 301.37,136.86 300.03,144.31 298.8,151.55 297.68,158.58 296.67,165.4 295.77,172 ; 279.36,218 278.81,223.98 278.13,230.16 277.34,236.55 276.43,243.14 275.4,249.93 274.25,256.93 272.98,264.14 271.59,271.55 270.08,279.17 268.46,286.98 266.71,295.01 264.85,303.24 262.86,311.67 260.76,320.31 258.54,329.15 256.2,338.2 ; 313.8,338.2 311.46,329.15 309.25,320.31 307.17,311.67 305.22,303.24 303.39,295.01 301.69,286.98 300.11,279.17 298.67,271.55 297.35,264.14 296.15,256.93 295.09,249.93 294.15,243.14 293.34,236.55 292.65,230.16 292.1,223.98 291.67,218 ; 287.56,172 287.69,165.38 287.85,158.5 288.03,151.38 288.24,144.01 288.47,136.4 288.73,128.53 289.01,120.41 289.32,112.05 289.65,103.44 290.01,94.58 290.39,85.47 290.8,76.11 291.24,66.51 291.7,56.65 292.19,46.55 292.7,36.2 ; 133.46,172 133.21,165.38 132.94,158.5 132.65,151.38 132.34,144.01 132.02,136.4 131.68,128.53 131.32,120.41 130.94,112.05 130.55,103.44 130.13,94.58 129.71,85.47 129.26,76.11 128.8,66.51 128.31,56.65 127.82,46.55 127.3,36.2 ; 308.1,38.6 306.56,48.66 305.09,58.49 303.68,68.09 302.35,77.46 301.08,86.6 299.88,95.52 298.75,104.2 297.69,112.65 296.7,120.87 295.77,128.87 294.92,136.63 294.13,144.16 293.41,151.47 292.76,158.54 292.18,165.38 291.67,172 ; 299.87,172 301.15,165.4 302.59,158.62 304.18,151.63 305.92,144.46 307.82,137.1 309.87,129.54 312.08,121.79 314.44,113.85 316.96,105.72 319.63,97.39 322.46,88.87 325.44,80.16 328.57,71.26 331.86,62.17 335.3,52.88 338.9,43.4 ; 142.7,36.2 142.19,46.55 141.7,56.65 141.24,66.51 140.8,76.11 140.39,85.47 140.01,94.58 139.65,103.44 139.32,112.05 139.01,120.41 138.72,128.53 138.47,136.4 138.24,144.01 138.03,151.38 137.85,158.5 137.69,165.38 137.56,172 ; 283.46,218 283.24,223.99 282.97,230.21 282.67,236.66 282.33,243.34 281.96,250.25 281.55,257.38 281.1,264.75 280.62,272.35 280.09,280.18 279.53,288.23 278.94,296.52 278.3,305.04 277.63,313.78 276.93,322.76 276.18,331.96 275.4,341.4 ; 129.36,218 128.81,223.98 128.13,230.16 127.34,236.55 126.43,243.14 125.4,249.93 124.25,256.93 122.98,264.14 121.59,271.55 120.08,279.17 118.46,286.98 116.71,295.01 114.85,303.24 112.86,311.67 110.76,320.31 108.54,329.15 106.2,338.2 ; 215.7,45.8 220.33,54.99 224.77,64 229.02,72.85 233.08,81.51 236.96,90.01 240.64,98.33 244.13,106.48 247.44,114.45 250.55,122.25 253.48,129.88 256.21,137.33 258.76,144.61 261.12,151.72 263.29,158.65 265.26,165.41 267.05,172 ; 117.05,218 115.51,223.94 113.61,230.01 111.34,236.21 108.7,242.54 105.7,249 102.34,255.58 98.61,262.3 94.51,269.15 90.05,276.13 85.23,283.23 80.03,290.47 74.48,297.84 68.56,305.33 62.27,312.96 55.62,320.72 48.6,328.6 ; 121.15,172 119.75,165.4 118.2,158.62 116.5,151.63 114.66,144.46 112.67,137.1 110.53,129.54 108.24,121.79 105.81,113.85 103.24,105.72 100.51,97.39 97.64,88.87 94.63,80.16 91.47,71.26 88.16,62.17 84.7,52.88 81.1,43.4 ; 149.87,172 151.15,165.4 152.59,158.62 154.18,151.63 155.92,144.46 157.82,137.1 159.87,129.54 162.08,121.79 164.44,113.85 166.96,105.72 169.63,97.39 172.46,88.87 175.44,80.16 178.57,71.26 181.86,62.17 185.3,52.88 188.9,43.4 ; 111.9,38.6 113.44,48.66 114.93,58.49 116.35,68.09 117.72,77.46 119.02,86.6 120.26,95.52 121.44,104.2 122.56,112.65 123.63,120.87 124.63,128.87 125.57,136.63 126.45,144.16 127.27,151.47 128.02,158.54 128.72,165.38 129.36,172 ; 149.87,218 150.96,223.95 152.34,230.06 154,236.32 155.97,242.74 158.22,249.31 160.76,256.03 163.59,262.92 166.72,269.95 170.13,277.14 173.84,284.48 177.84,291.98 182.13,299.64 186.71,307.45 191.58,315.41 196.75,323.53 202.2,331.8 ; 144.6,341.4 143.82,331.96 143.09,322.76 142.4,313.78 141.76,305.04 141.16,296.52 140.61,288.23 140.1,280.18 139.64,272.35 139.22,264.75 138.85,257.38 138.52,250.25 138.24,243.34 138,236.66 137.81,230.21 137.67,223.99 137.56,218 ; 96.5,41 99.07,50.77 101.54,60.33 103.91,69.68 106.17,78.81 108.33,87.74 110.39,96.45 112.34,104.96 114.19,113.25 115.94,121.33 117.58,129.2 119.11,136.86 120.55,144.31 121.88,151.55 123.11,158.58 124.23,165.4 125.26,172 ; 141.67,172 142.18,165.38 142.76,158.54 143.41,151.47 144.13,144.16 144.92,136.63 145.77,128.87 146.7,120.87 147.69,112.65 148.75,104.2 149.88,95.52 151.08,86.6 152.35,77.46 153.68,68.09 155.09,58.49 156.56,48.66 158.1,38.6 ; 371.4,328.6 364.39,320.72 357.75,312.96 351.48,305.33 345.59,297.84 340.06,290.47 334.92,283.23 330.14,276.13 325.74,269.15 321.72,262.3 318.06,255.58 314.78,249 311.87,242.54 309.34,236.21 307.18,230.01 305.39,223.94 303.97,218 ; 133.46,218 133.24,223.99 132.97,230.21 132.67,236.66 132.34,243.34 131.96,250.25 131.55,257.38 131.1,264.75 130.62,272.35 130.09,280.18 129.53,288.23 128.94,296.52 128.3,305.04 127.63,313.78 126.93,322.76 126.18,331.96 125.4,341.4 ; 204.3,45.8 199.67,54.99 195.25,64 191.01,72.85 186.98,81.51 183.14,90.01 179.5,98.33 176.06,106.48 172.82,114.45 169.77,122.25 166.92,129.88 164.27,137.33 161.82,144.61 159.56,151.72 157.5,158.65 155.64,165.41 153.97,172 ; 153.97,218 155.39,223.94 157.18,230.01 159.34,236.21 161.87,242.54 164.78,249 168.06,255.58 171.72,262.3 175.74,269.15 180.14,276.13 184.92,283.23 190.06,290.47 195.59,297.84 201.48,305.33 207.75,312.96 214.39,320.72 221.4,328.6 ; 271.15,172 269.75,165.4 268.2,158.62 266.5,151.63 264.65,144.46 262.67,137.1 260.53,129.54 258.24,121.79 255.81,113.85 253.24,105.72 250.51,97.39 247.64,88.87 244.63,80.16 241.47,71.26 238.16,62.17 234.7,52.88 231.1,43.4 ; 283.46,172 283.21,165.38 282.94,158.5 282.65,151.38 282.34,144.01 282.02,136.4 281.68,128.53 281.32,120.41 280.94,112.05 280.55,103.44 280.13,94.58 279.71,85.47 279.26,76.11 278.8,66.51 278.31,56.65 277.82,46.55 277.3,36.2 ; 121.15,218 119.94,223.95 118.45,230.06 116.67,236.32 114.61,242.74 112.27,249.31 109.64,256.03 106.73,262.92 103.54,269.95 100.06,277.14 96.3,284.48 92.26,291.98 87.94,299.64 83.33,307.45 78.43,315.41 73.26,323.53 67.8,331.8 ; 275.26,172 274.24,165.4 273.11,158.58 271.88,151.55 270.55,144.31 269.12,136.86 267.58,129.2 265.94,121.33 264.19,113.25 262.34,104.96 260.39,96.45 258.33,87.74 256.17,78.81 253.91,69.68 251.54,60.33 249.07,50.77 246.5,41 ; 163.8,338.2 161.46,329.15 159.25,320.31 157.17,311.67 155.22,303.24 153.39,295.01 151.69,286.98 150.11,279.17 148.67,271.55 147.35,264.14 146.15,256.93 145.09,249.93 144.15,243.14 143.34,236.55 142.65,230.16 142.1,223.98 141.67,218 ; 261.9,38.6 263.44,48.66 264.93,58.49 266.35,68.09 267.72,77.46 269.02,86.6 270.26,95.52 271.44,104.2 272.56,112.65 273.63,120.87 274.63,128.87 275.57,136.63 276.45,144.16 277.26,151.47 278.02,158.54 278.72,165.38 279.36,172 ; 295.77,218 296.53,223.97 297.5,230.11 298.67,236.43 300.06,242.94 301.65,249.62 303.46,256.48 305.47,263.53 307.69,270.75 310.12,278.15 312.76,285.73 315.61,293.5 318.67,301.44 321.94,309.56 325.42,317.86 329.11,326.34 333,335
  Top w0.42: 113,212 108.24,217.52 103.47,223.31 98.68,229.39 93.88,235.75 89.06,242.39 84.22,249.31 79.37,256.52 74.5,264 69.62,271.77 64.72,279.81 59.8,288.14 54.88,296.75 49.93,305.64 44.97,314.81 39.99,324.27 35,334 ; 385,68 380.01,76.33 375.03,84.59 370.07,92.76 365.12,100.84 360.19,108.85 355.28,116.77 350.38,124.62 345.5,132.38 340.63,140.05 335.78,147.65 330.94,155.16 326.12,162.59 321.32,169.94 316.53,177.21 311.76,184.4 307,191.5 ; 35,307 39.99,300.48 44.97,293.93 49.93,287.34 54.88,280.72 59.8,274.06 64.72,267.37 69.62,260.64 74.5,253.88 79.37,247.08 84.22,240.24 89.06,233.37 93.88,226.47 98.68,219.53 103.47,212.56 108.24,205.54 113,198.5 ; 307,187 311.76,180.41 316.53,173.62 321.32,166.66 326.12,159.5 330.94,152.16 335.78,144.62 340.63,136.91 345.5,129 350.38,120.91 355.28,112.62 360.19,104.16 365.12,95.5 370.07,86.66 375.03,77.62 380.01,68.41 385,59 ; 385,325 380.01,316.34 375.03,307.85 370.07,299.54 365.12,291.41 360.19,283.45 355.28,275.66 350.38,268.06 345.5,260.62 340.63,253.37 335.78,246.29 330.94,239.38 326.12,232.66 321.32,226.1 316.53,219.73 311.76,213.53 307,207.5 ; 113,187 108.24,180.41 103.47,173.62 98.68,166.66 93.88,159.5 89.06,152.16 84.22,144.62 79.37,136.91 74.5,129 69.62,120.91 64.72,112.62 59.8,104.16 54.88,95.5 49.93,86.66 44.97,77.62 39.99,68.41 35,59 ; 113,194 108.24,201.56 103.47,208.97 98.68,216.24 93.88,223.38 89.06,230.37 84.22,237.22 79.37,243.93 74.5,250.5 69.62,256.93 64.72,263.22 59.8,269.37 54.88,275.38 49.93,281.24 44.97,286.97 39.99,292.56 35,298 ; 113,178 108.24,172.43 103.47,166.45 98.68,160.08 93.88,153.31 89.06,146.15 84.22,138.58 79.37,130.61 74.5,122.25 69.62,113.49 64.72,104.33 59.8,94.77 54.88,84.81 49.93,74.46 44.97,63.7 39.99,52.55 35,41 ; 307,196 311.76,188.39 316.53,180.8 321.32,173.23 326.12,165.69 330.94,158.17 335.78,150.67 340.63,143.2 345.5,135.75 350.38,128.32 355.28,120.92 360.19,113.54 365.12,106.19 370.07,98.86 375.03,91.55 380.01,84.26 385,77 ; 385,50 380.01,60.48 375.03,70.66 370.07,80.56 365.12,90.16 360.19,99.46 355.28,108.48 350.38,117.2 345.5,125.62 340.63,133.76 335.78,141.6 330.94,149.15 326.12,156.41 321.32,163.37 316.53,170.04 311.76,176.42 307,182.5 ; 113,207.5 108.24,213.53 103.47,219.73 98.68,226.1 93.88,232.66 89.06,239.38 84.22,246.29 79.37,253.37 74.5,260.62 69.62,268.06 64.72,275.66 59.8,283.45 54.88,291.41 49.93,299.54 44.97,307.85 39.99,316.34 35,325 ; 307,194 311.76,201.56 316.53,208.97 321.32,216.24 326.12,223.38 330.94,230.37 335.78,237.22 340.63,243.93 345.5,250.5 350.38,256.93 355.28,263.22 360.19,269.37 365.12,275.38 370.07,281.24 375.03,286.97 380.01,292.56 385,298 ; 307,203 311.76,209.53 316.53,216.14 321.32,222.82 326.12,229.56 330.94,236.38 335.78,243.27 340.63,250.22 345.5,257.25 350.38,264.35 355.28,271.52 360.19,278.75 365.12,286.06 370.07,293.44 375.03,300.89 380.01,308.41 385,316 ; 385,41 380.01,52.55 375.03,63.7 370.07,74.46 365.12,84.81 360.19,94.77 355.28,104.33 350.38,113.49 345.5,122.25 340.63,130.61 335.78,138.58 330.94,146.15 326.12,153.31 321.32,160.08 316.53,166.45 311.76,172.43 307,178 ; 113,182.5 108.24,176.42 103.47,170.04 98.68,163.37 93.88,156.41 89.06,149.15 84.22,141.6 79.37,133.76 74.5,125.62 69.62,117.2 64.72,108.48 59.8,99.46 54.88,90.16 49.93,80.56 44.97,70.66 39.99,60.48 35,50 ; 307,212 311.76,217.52 316.53,223.31 321.32,229.39 326.12,235.75 330.94,242.39 335.78,249.31 340.63,256.52 345.5,264 350.38,271.77 355.28,279.81 360.19,288.14 365.12,296.75 370.07,305.64 375.03,314.81 380.01,324.27 385,334 ; 307,198.5 311.76,205.54 316.53,212.56 321.32,219.53 326.12,226.47 330.94,233.37 335.78,240.24 340.63,247.08 345.5,253.88 350.38,260.64 355.28,267.37 360.19,274.06 365.12,280.72 370.07,287.34 375.03,293.93 380.01,300.48 385,307 ; 35,77 39.99,84.26 44.97,91.55 49.93,98.86 54.88,106.19 59.8,113.54 64.72,120.92 69.62,128.32 74.5,135.75 79.37,143.2 84.22,150.67 89.06,158.17 93.88,165.69 98.68,173.23 103.47,180.8 108.24,188.39 113,196 ; 113,191.5 108.24,184.4 103.47,177.21 98.68,169.94 93.88,162.59 89.06,155.16 84.22,147.65 79.37,140.05 74.5,132.38 69.62,124.62 64.72,116.77 59.8,108.85 54.88,100.84 49.93,92.76 44.97,84.59 39.99,76.33 35,68 ; 35,316 39.99,308.41 44.97,300.89 49.93,293.44 54.88,286.06 59.8,278.75 64.72,271.52 69.62,264.35 74.5,257.25 79.37,250.22 84.22,243.27 89.06,236.38 93.88,229.56 98.68,222.82 103.47,216.14 108.24,209.53 113,203